# KiCad board chastity.kicad_pcb (continued)
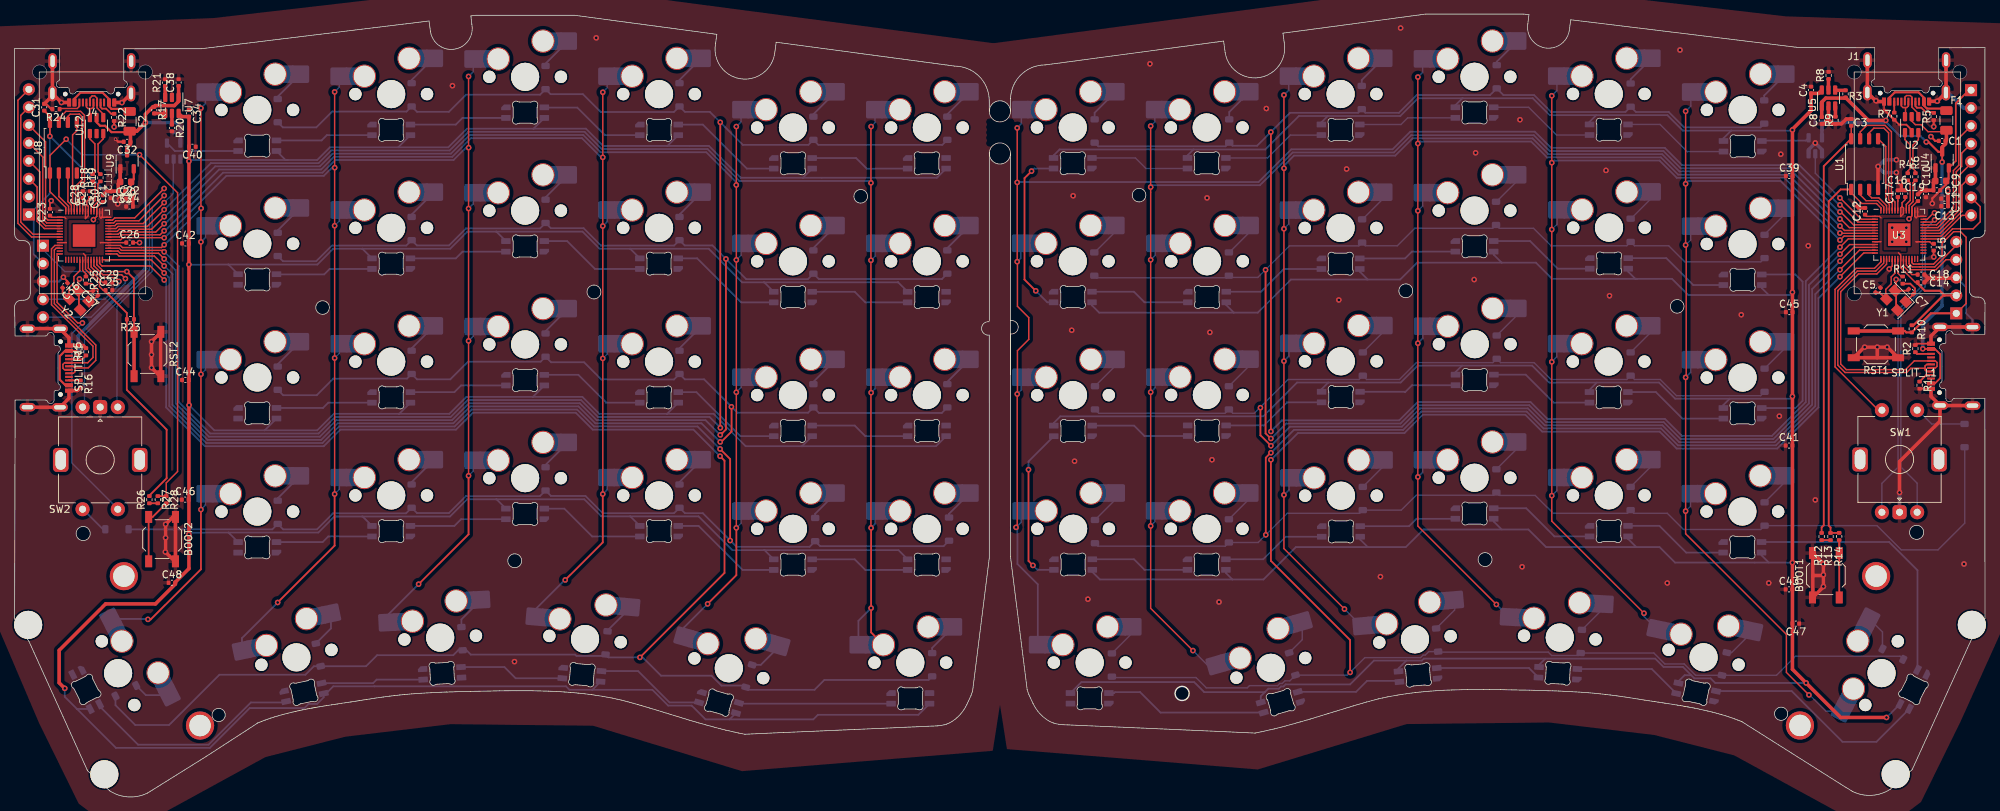
[diagram p0: board, top side]
## Nets
+1V1: C17.1 C18.1 C19.1 C28.1 C29.1 C30.1 U3.23 U3.45 U3.50 U10.23 U10.45 U10.50
+3V3: C2.1 C3.1 C9.1 C10.1 C11.1 C12.1 C13.1 C14.1 C15.1 C16.1 C20.1 C21.1 C22.1 C23.1 C24.1 C25.1 C26.1 C27.1 C31.1 C33.1 J2.2 J3.1 J5.2 J6.1 R10.2 R12.2 R23.2 R26.2 U1.8 U3.1 U3.10 U3.22 U3.33 U3.42 U3.43 U3.44 U3.48 U3.49 U4.2 U8.8 U9.2 U10.1 U10.10 U10.22 U10.33 U10.42 U10.43 U10.44 U10.48 U10.49
GND: BOOT1.1 BOOT2.1 C1.2 C2.2 C3.2 C4.1 C5.1 C6.1 C7.2 C8.2 C9.2 C10.2 C11.2 C12.2 C13.2 C14.2 C15.2 C16.2 C17.2 C18.2 C19.2 C20.2 C21.2 C22.2 C23.2 C24.2 C25.2 C26.2 C27.2 C28.2 C29.2 C30.2 C31.2 C32.2 C33.2 C34.1 C35.1 C36.1 C37.2 C38.2 C39.1 C40.1 C41.1 C42.1 C43.1 C44.1 C45.1 C46.1 C47.1 C48.1 J1.A1 J1.A12 J1.B1 J1.B12 J1.S1 J2.3 J3.2 J4.A1 J4.A12 J4.B1 J4.B12 J4.S1 J5.3 J6.2 LED1.4 LED2.4 LED3.4 LED4.4 LED5.4 LED6.4 LED7.4 LED8.4 LED9.4 LED10.4 LED11.4 LED12.4 LED13.4 LED14.4 LED15.4 LED16.4 LED17.4 LED18.4 LED19.4 LED20.4 LED21.4 LED22.4 LED23.4 LED24.4 LED25.4 LED26.4 LED27.4 LED28.4 LED29.4 LED30.4 LED31.4 LED32.4 LED33.4 LED34.4 LED35.4 LED36.4 LED37.4 LED38.4 LED39.4 LED40.4 LED41.4 LED42.4 LED43.4 LED44.4 LED45.4 LED46.4 LED47.4 LED48.4 LED49.4 LED50.4 LED51.4 LED52.4 LED53.4 LED54.4 LED55.4 LED56.4 LED57.4 LED58.4 LED59.4 LED60.4 R1.2 R2.2 R5.2 R7.2 R8.2 R9.2 R15.2 R16.2 R20.2 R21.2 R22.2 R24.2 RST1.2 RST2.1 SPLIT_L1.A1 SPLIT_L1.A12 SPLIT_L1.B1 SPLIT_L1.B12 SPLIT_L1.S1 SPLIT_R1.A1 SPLIT_R1.A12 SPLIT_R1.B1 SPLIT_R1.B12 SPLIT_R1.S1 SW1.C SW2.C U1.4 U2.2 U3.19 U3.57 U4.1 U5.2 U6.1 U6.3 U7.2 U8.4 U9.1 U10.19 U10.57 U11.1 U11.3 U12.2 Y1.2 Y1.4 Y2.2 Y2.4
VBUS: F1.1 F2.1 J1.A4 J1.A9 J1.B4 J1.B9 J4.A4 J4.A9 J4.B4 J4.B9
bl: J6.8 U10.8
bl_L: J3.8 U3.35
clk: J6.4 U10.4
clk_L: J3.4 U3.38
col 0: SW2.S2 U10.14
col 0_L: SW1.S2 U3.15
col 1: MX31.1 MX37.1 MX43.1 MX49.1 MX55.1 U10.32
col 1_L: MX6.1 MX12.1 MX18.1 MX24.1 MX30.1 U3.8
col 2: MX32.1 MX38.1 MX44.1 MX50.1 MX56.1 U10.34
col 2_L: MX5.1 MX11.1 MX17.1 MX23.1 MX29.1 U3.7
col 3: MX33.1 MX39.1 MX45.1 MX51.1 MX57.1 U10.35
col 3_L: MX4.1 MX10.1 MX16.1 MX22.1 MX28.1 U3.6
col 4: MX34.1 MX40.1 MX46.1 MX52.1 MX58.1 U10.36
col 4_L: MX3.1 MX9.1 MX15.1 MX21.1 MX27.1 U3.5
col 5: MX35.1 MX41.1 MX47.1 MX53.1 MX59.1 U10.37
col 5_L: MX2.1 MX8.1 MX14.1 MX20.1 MX26.1 U3.4
col 6: MX36.1 MX42.1 MX48.1 MX54.1 MX60.1 U10.38
col 6_L: MX1.1 MX7.1 MX13.1 MX19.1 MX25.1 U3.3
cs: J6.5 U10.3
cs_L: J3.5 U3.37
CURR_LIM: R20.1 U7.5
CURR_LIM_L: R8.1 U5.5
D+: R18.2 U12.1
D-: R19.2 U12.3
D_Split_L+: SPLIT_L1.A6 SPLIT_L1.B6 U3.17
D_Split_L-: SPLIT_L1.A7 SPLIT_L1.B7 U3.16
D_Split_R+: SPLIT_R1.A6 SPLIT_R1.B6 U10.12
D_Split_R-: SPLIT_R1.A7 SPLIT_R1.B7 U10.11
D_USB+: J4.A6 J4.B6 U12.6
D_USB-: J4.A7 J4.B7 U12.4
dc: J6.6 U10.2
dc_L: J3.6 U3.36
DIN: J6.3 U10.5
DIN_L: J3.3 U3.39
DL+: R4.2 U2.1
DL-: R6.2 U2.3
DL_USB+: J1.A6 J1.B6 U2.6
DL_USB-: J1.A7 J1.B7 U2.4
LED_Data_3V3: U10.39 U11.2
LED_Data_3V3_L: U3.2 U6.2
LED_Data_5V: LED31.3 U11.4
LED_Data_5V_L: LED6.3 U6.4
LED_Pow_5V: C34.2 C40.2 C42.2 C44.2 C46.2 C48.2 LED31.1 LED32.1 LED33.1 LED34.1 LED35.1 LED36.1 LED37.1 LED38.1 LED39.1 LED40.1 LED41.1 LED42.1 LED43.1 LED44.1 LED45.1 LED46.1 LED47.1 LED48.1 LED49.1 LED50.1 LED51.1 LED52.1 LED53.1 LED54.1 LED55.1 LED56.1 LED57.1 LED58.1 LED59.1 LED60.1 U7.6
LED_Pow_5V_L: C4.2 C39.2 C41.2 C43.2 C45.2 C47.2 LED1.1 LED2.1 LED3.1 LED4.1 LED5.1 LED6.1 LED7.1 LED8.1 LED9.1 LED10.1 LED11.1 LED12.1 LED13.1 LED14.1 LED15.1 LED16.1 LED17.1 LED18.1 LED19.1 LED20.1 LED21.1 LED22.1 LED23.1 LED24.1 LED25.1 LED26.1 LED27.1 LED28.1 LED29.1 LED30.1 U5.6
Q_CLK: U8.6 U10.52
Q_CLK_L: U1.6 U3.52
Q_IO0: U8.5 U10.53
Q_IO0_L: U1.5 U3.53
Q_IO1: U8.2 U10.55
Q_IO1_L: U1.2 U3.55
Q_IO2: U8.3 U10.54
Q_IO2_L: U1.3 U3.54
Q_IO3: U8.7 U10.51
Q_IO3_L: U1.7 U3.51
Q_SEL: R27.1 R28.1 U8.1 U10.56
Q_SEL_L: R13.1 R14.1 U1.1 U3.56
RESET: J5.1 R23.1 RST2.2 U10.26
RESET_L: J2.1 R10.1 RST1.1 U3.26
rot A: SW2.A U10.40
rot A_L: SW1.A U3.41
rot B: SW2.B U10.41
rot B_L: SW1.B U3.40
row 0: D31.1 D32.1 D33.1 D34.1 D35.1 D36.1 U10.31
row 0_L: D1.1 D2.1 D3.1 D4.1 D5.1 D6.1 U3.9
row 1: D37.1 D38.1 D39.1 D40.1 D41.1 D42.1 U10.30
row 1_L: D7.1 D8.1 D9.1 D10.1 D11.1 D12.1 U3.11
row 2: D43.1 D44.1 D45.1 D46.1 D47.1 D48.1 U10.29
row 2_L: D13.1 D14.1 D15.1 D16.1 D17.1 D18.1 U3.12
row 3: D49.1 D50.1 D51.1 D52.1 D53.1 D54.1 D62.1 U10.28
row 3_L: D19.1 D20.1 D21.1 D22.1 D23.1 D24.1 D61.1 U3.13
row 4: D55.1 D56.1 D57.1 D58.1 D59.1 D60.1 U10.27
row 4_L: D25.1 D26.1 D27.1 D28.1 D29.1 D30.1 U3.14
rst: J6.7 U10.7
rst_L: J3.7 U3.34
SK6803_EN: R21.1 U7.3
SK6803_EN_L: R9.1 U5.3
SK6803_NFAULT: R17.2 U7.4
SK6803_NFAULT_L: R3.1 U5.4
Split_5v5_L: C1.1 C6.2 C8.1 C32.1 C35.2 C38.1 F1.2 F2.2 R3.2 R17.1 SPLIT_L1.A4 SPLIT_L1.A9 SPLIT_L1.B4 SPLIT_L1.B9 SPLIT_R1.A4 SPLIT_R1.A9 SPLIT_R1.B4 SPLIT_R1.B9 U2.5 U4.3 U5.1 U6.5 U7.1 U9.3 U11.5 U12.5
SWC: J5.4 U10.24
SWC_L: J2.4 U3.24
SWD: J5.5 U10.25
SWD_L: J2.5 U3.25
XIN: C36.2 U10.20 Y2.3
XIN_L: C5.2 U3.20 Y1.3
XOUT: R25.1 U10.21
XOUT_L: R11.1 U3.21
Net-(BOOT1-Pad2): BOOT1.2 R14.2
Net-(BOOT2-Pad2): BOOT2.2 R28.2
Net-(C7-Pad1): C7.1 R11.2 Y1.1
Net-(C37-Pad1): C37.1 R25.2 Y2.1
Net-(D1-A): D1.2 MX1.2
Net-(D2-A): D2.2 MX2.2
Net-(D3-A): D3.2 MX3.2
Net-(D4-A): D4.2 MX4.2
Net-(D5-A): D5.2 MX5.2
Net-(D6-A): D6.2 MX6.2
Net-(D7-A): D7.2 MX7.2
Net-(D8-A): D8.2 MX8.2
Net-(D9-A): D9.2 MX9.2
Net-(D10-A): D10.2 MX10.2
Net-(D11-A): D11.2 MX11.2
Net-(D12-A): D12.2 MX12.2
Net-(D13-A): D13.2 MX13.2
Net-(D14-A): D14.2 MX14.2
Net-(D15-A): D15.2 MX15.2
Net-(D16-A): D16.2 MX16.2
Net-(D17-A): D17.2 MX17.2
Net-(D18-A): D18.2 MX18.2
Net-(D19-A): D19.2 MX19.2
Net-(D20-A): D20.2 MX20.2
Net-(D21-A): D21.2 MX21.2
Net-(D22-A): D22.2 MX22.2
Net-(D23-A): D23.2 MX23.2
Net-(D24-A): D24.2 MX24.2
Net-(D25-A): D25.2 MX25.2
Net-(D26-A): D26.2 MX26.2
Net-(D27-A): D27.2 MX27.2
Net-(D28-A): D28.2 MX28.2
Net-(D29-A): D29.2 MX29.2
Net-(D30-A): D30.2 MX30.2
Net-(D31-A): D31.2 MX31.2
Net-(D32-A): D32.2 MX32.2
Net-(D33-A): D33.2 MX33.2
Net-(D34-A): D34.2 MX34.2
Net-(D35-A): D35.2 MX35.2
Net-(D36-A): D36.2 MX36.2
Net-(D37-A): D37.2 MX37.2
Net-(D38-A): D38.2 MX38.2
Net-(D39-A): D39.2 MX39.2
Net-(D40-A): D40.2 MX40.2
Net-(D41-A): D41.2 MX41.2
Net-(D42-A): D42.2 MX42.2
Net-(D43-A): D43.2 MX43.2
Net-(D44-A): D44.2 MX44.2
Net-(D45-A): D45.2 MX45.2
Net-(D46-A): D46.2 MX46.2
Net-(D47-A): D47.2 MX47.2
Net-(D48-A): D48.2 MX48.2
Net-(D49-A): D49.2 MX49.2
Net-(D50-A): D50.2 MX50.2
Net-(D51-A): D51.2 MX51.2
Net-(D52-A): D52.2 MX52.2
Net-(D53-A): D53.2 MX53.2
Net-(D54-A): D54.2 MX54.2
Net-(D55-A): D55.2 MX55.2
Net-(D56-A): D56.2 MX56.2
Net-(D57-A): D57.2 MX57.2
Net-(D58-A): D58.2 MX58.2
Net-(D59-A): D59.2 MX59.2
Net-(D60-A): D60.2 MX60.2
Net-(D61-A): D61.2 SW1.S1
Net-(D62-A): D62.2 SW2.S1
Net-(J1-CC1): J1.A5 R5.1
Net-(J1-CC2): J1.B5 R7.1
Net-(J4-CC1): J4.A5 R22.1
Net-(J4-CC2): J4.B5 R24.1
Net-(LED1-DIN): LED1.3 LED2.2
Net-(LED1-DOUT): LED1.2 LED7.3
Net-(LED2-DIN): LED2.3 LED3.2
Net-(LED3-DIN): LED3.3 LED4.2
Net-(LED4-DIN): LED4.3 LED5.2
Net-(LED5-DIN): LED5.3 LED6.2
Net-(LED7-DOUT): LED7.2 LED8.3
Net-(LED8-DOUT): LED8.2 LED9.3
Net-(LED10-DIN): LED9.2 LED10.3
Net-(LED10-DOUT): LED10.2 LED11.3
Net-(LED11-DOUT): LED11.2 LED12.3
Net-(LED12-DOUT): LED12.2 LED18.3
Net-(LED13-DIN): LED13.3 LED14.2
Net-(LED13-DOUT): LED13.2 LED19.3
Net-(LED14-DIN): LED14.3 LED15.2
Net-(LED15-DIN): LED15.3 LED16.2
Net-(LED16-DIN): LED16.3 LED17.2
Net-(LED17-DIN): LED17.3 LED18.2
Net-(LED19-DOUT): LED19.2 LED20.3
Net-(LED20-DOUT): LED20.2 LED21.3
Net-(LED21-DOUT): LED21.2 LED22.3
Net-(LED22-DOUT): LED22.2 LED23.3
Net-(LED23-DOUT): LED23.2 LED24.3
Net-(LED24-DOUT): LED24.2 LED30.3
Net-(LED25-DIN): LED25.3 LED26.2
Net-(LED26-DIN): LED26.3 LED27.2
Net-(LED27-DIN): LED27.3 LED28.2
Net-(LED28-DIN): LED28.3 LED29.2
Net-(LED29-DIN): LED29.3 LED30.2
Net-(LED31-DOUT): LED31.2 LED32.3
Net-(LED32-DOUT): LED32.2 LED33.3
Net-(LED33-DOUT): LED33.2 LED34.3
Net-(LED34-DOUT): LED34.2 LED35.3
Net-(LED35-DOUT): LED35.2 LED36.3
Net-(LED36-DOUT): LED36.2 LED42.3
Net-(LED37-DIN): LED37.3 LED38.2
Net-(LED37-DOUT): LED37.2 LED43.3
Net-(LED38-DIN): LED38.3 LED39.2
Net-(LED39-DIN): LED39.3 LED40.2
Net-(LED40-DIN): LED40.3 LED41.2
Net-(LED41-DIN): LED41.3 LED42.2
Net-(LED43-DOUT): LED43.2 LED44.3
Net-(LED44-DOUT): LED44.2 LED45.3
Net-(LED45-DOUT): LED45.2 LED46.3
Net-(LED46-DOUT): LED46.2 LED47.3
Net-(LED47-DOUT): LED47.2 LED48.3
Net-(LED48-DOUT): LED48.2 LED54.3
Net-(LED49-DIN): LED49.3 LED50.2
Net-(LED49-DOUT): LED49.2 LED55.3
Net-(LED50-DIN): LED50.3 LED51.2
Net-(LED51-DIN): LED51.3 LED52.2
Net-(LED52-DIN): LED52.3 LED53.2
Net-(LED53-DIN): LED53.3 LED54.2
Net-(LED55-DOUT): LED55.2 LED56.3
Net-(LED56-DOUT): LED56.2 LED57.3
Net-(LED57-DOUT): LED57.2 LED58.3
Net-(LED58-DOUT): LED58.2 LED59.3
Net-(LED59-DOUT): LED59.2 LED60.3
Net-(R12-Pad1): R12.1 R13.2
Net-(R26-Pad1): R26.1 R27.2
Net-(SPLIT_L1-CC1): R1.1 SPLIT_L1.A5
Net-(SPLIT_L1-CC2): R2.1 SPLIT_L1.B5
Net-(SPLIT_R1-CC1): R15.1 SPLIT_R1.A5
Net-(SPLIT_R1-CC2): R16.1 SPLIT_R1.B5
Net-(U3-USB_DM): R6.1 U3.46
Net-(U3-USB_DP): R4.1 U3.47
Net-(U10-USB_DM): R19.1 U10.46
Net-(U10-USB_DP): R18.1 U10.47

Pads without a net: J1 A8 B8; J4 A8 B8; LED25 2; LED60 2; SPLIT_L1 A8 B8; SPLIT_R1 A8 B8; SW1 MP; SW2 MP; U3 18 27 28 29 30 31 32; U10 6 9 13 15 16 17 18

## Via types
v1: diameter 0.8, hole 0.4, Top to Bottom, 224 vias
v2: diameter 0.5, hole 0.3, Top to Bottom, 1 via

## Routing (per net, layer and track width the routed paths; a pad name or vN(x,y) marks a point on that pad's centre or on a via; arc(x,y) is an arc through that point)
+1V1: length 18.6
  Top w0.2: v1(268.79,82.12) 269.19,82.52 U3.45 ; U10.23 10.46,75.11 12.5,73.07 C29.1 ; U3.45 269.19,83.84 269.99,84.64 C19.1 ; U3.45 269.19,82.66 ; U10.50 9.66,85.07 C28.1 ; C17.1 267.2,84.67 267.19,84.66 U3.50 ; C30.1 12.45,84.5 11.66,83.71 U10.45 11.66,82.48 v1(11.18,82) ; U3.23 267.99,75.4 269.19,74.2 C18.1
+3V3: length 209.1
  Top w0.2: C15.1 272,78.57 271.71,78.87 U3.33 269.79,78.87 269.79,78.86 269.99,78.86 ; 12.18,78.74 U10.33 15.36,78.74 15.36,78.74 C26.1 ; 269.99,82.46 269.99,82.47 U3.42 ; 269.99,82.46 269.79,82.26 269.59,82.46 U3.44 ; 269.99,82.46 U3.43 ; 267.28,77.29 267.59,76.99 U3.22 267.59,75.19 269.68,73.09 C14.1 ; 267.79,83.86 267.99,83.66 U3.48 267.99,82.86 267.59,82.46 U3.49 267.59,83.66 267.79,83.86 ; 267.79,83.86 267.79,84.4 268.25,84.86 C16.1 ; 9.78,77.17 10.06,76.9 U10.22 10.06,74.94 12.04,72.96 12.04,72.51 12.57,71.97 C25.1 ; 10.25,84.1 10.46,83.89 U10.48 10.46,82.56 10.06,82.16 U10.49 10.06,83.9 10.25,84.1 ; 10.25,84.1 10.25,84.61 C27.1 ; 12.26,82.24 12.46,82.43 U10.43 ; 12.26,82.24 12.06,82.44 U10.44 ; 12.26,82.24 12.37,82.34 U10.42 ; 7.27,82.16 7.09,82.34 U10.1 5.25,82.34 C23.1 ; U1.8 260.59,93.5 C3.1 ; 7.31,78.74 7.3,78.74 U10.10 ; U3.10 264.79,78.87 ; C12.1 262.78,82.47 U3.1 264.59,82.47 264.79,82.26
  Top w0.25: C31.1 5.02,96.67 U8.8 5.02,93.86 v1(5,93.84) ; C20.1 16.53,86.9 C33.1 15.67,86.03 14.63,84.99 v1(14.63,84.23) ; U1.8 256.68,89.6 256.68,38.59 256.38,38.29 R12.2 ; U4.2 275.42,90.34 275.42,98.53 276.88,99.99 ; C25.1 12.9,71.76 13.27,71.39 13.28,71.39 15.93,68.74 R23.2 15.92,67.85 15.92,57.83 21.57,52.18 21.57,45.28 19.12,42.83 R26.2
  Top w0.3: 273.82,71.23 273.62,71.23 269.39,67 R10.2 ; 273.82,71.23 J2.2 ; 273.82,71.23 273.16,71.89 271.03,71.89 270.07,72.86 270.07,73.03 C14.1 ; U9.2 16.91,87.74 C20.1 ; v1(272.08,84.29) 272.08,85.01 273.2,86.13 C2.1 274.06,87.03 C9.1 274.38,87.82 274.38,89.31 U4.2
  Bottom w0.25: J5.2 2.72,77.07 2.72,82.03 J6.1 5,85.71 v1(5,93.84) 5.02,93.84 v1(14.63,84.23)
GND: length 249.6
  Top w0.2: v1(272.3,76.7) 272.28,76.72 C15.2 ; v1(265.98,74.99) 266.39,75.4 U3.19 ; R7.2 265.24,97.63 J1.A12 265.13,98.89 v1(264.08,98.89) ; v1(17.72,78.74) C26.2 ; 272.53,87.52 C9.2
  Top w0.25: Y2.4 9.12,69.36 9.12,71.78 9.15,71.8 ; R7.2 267.37,95.49 268.4,95.49 269.16,94.74 U2.2 ; SPLIT_L1.A12 271.9,64.39 269.87,64.39 R2.2 ; R1.2 270.29,57.99 SPLIT_L1.A1 ; Y1.4 266.95,69.31 266.95,71.71 Y1.2 ; C36.1 7.5,73.25 v1(6.92,73.83) ; C23.2 5.02,84.51 v1(5.19,84.69) ; C37.2 11.06,71.82 9.03,71.82 9.03,73.41 v1(9.2,73.58) ; C7.2 268.52,71.91 266.79,71.91 266.95,72.07 v1(266.95,73.51)
  Top w0.3: J1.S1 274.02,104.64 J1.S1 ; 264.28,98.69 v1(264.08,98.89) ; v1(272.78,98.82) 272.74,98.78 J1.A1 ; C31.2 4.47,98.44 5.21,97.7 R24.2 ; v1(14.12,95.18) R22.2 ; v2(14.32,93.43) 14.69,93.06 C32.2 ; v1(271.88,93.79) 272.49,93.19 C1.2 ; 265.29,97.57 R7.2 ; v1(272.28,95.21) 272.28,96.15
  Top w0.5: C30.2 13.07,86.01 C21.2 13.69,86.04 C33.2 14.71,87.09 C20.2 14.98,89.2 U9.1 ; 255.13,31.47 256.53,31.47 v1(256.63,31.57) ; 258.37,95.58 R9.2 259.2,95.61 259.89,96.3 C3.2 ; R16.2 8.92,57.72 SPLIT_R1.A12 7.71,56.63 SPLIT_R1.S1 1.85,55.35 SPLIT_R1.S1 ; 264.28,62.39 RST1.2 262.43,63.89 v1(262.48,63.89) v1(264.28,63.89) ; 264.28,62.39 RST1.2 265.73,63.89 v1(265.68,63.89) v1(264.28,63.89) ; 264.28,62.39 v1(264.28,63.89) ; J2.3 275.4,73.69 v1(272.28,73.69) 271.47,73.69 ; v1(16.8,85.9) 16.78,85.87 C22.2 16.78,84.96 C24.2 ; J4.S1 v1(15.23,98.63) 15.24,98.64 J4.A1 ; J4.S1 5.37,104.5 J4.S1 ; J4.S1 5.37,99.6 C31.2 ; J4.S1 v1(6.65,98.64) J4.A12 ; 271.47,73.69 C18.2 ; 271.47,73.69 271.47,73.6 C14.2 ; 257.33,96.24 256.7,95.61 C8.2 ; 257.33,96.24 257.99,95.58 ; 257.33,96.24 257.35,96.26 U5.2 ; C9.2 272.24,87.22 C2.2 271.21,86.17 C10.2 270.6,86.15 C19.2 ; 271.9,64.47 SPLIT_L1.A12 271.9,65.48 SPLIT_L1.S1 277.76,66.76 ; 272.53,87.52 U4.1 ; J1.S1 262.87,104.64 J1.S1 264.03,98.89 v1(264.08,98.89) 264.2,98.78 J1.A12 ; 256.63,29.84 255.13,28.34 255.13,34.64 256.63,33.14 ; J1.S1 274.04,100.08 J1.S1 v1(272.78,98.82) 271.69,98.82 J1.A1 ; R15.2 9.73,64.12 SPLIT_R1.A1 7.71,65.22 SPLIT_R1.S1 6.41,66.52 SPLIT_R1.S1 ; C12.2 261.61,83.67 v1(261.06,84.22) ; SPLIT_L1.S1 271.9,56.89 SPLIT_L1.A1 ; SPLIT_L1.S1 273.2,55.59 SPLIT_L1.S1 ; SPLIT_L1.S1 273.18,53.39 267.43,47.64 v1(267.43,43.24) ; v1(274.31,86.11) C13.2 ; C17.2 267.68,86.17 ; 267.68,86.17 C16.2 ; 267.68,86.17 267.68,87.09 v1(267.48,87.29) ; v1(256.63,31.57) v1(256.63,33.09) ; v1(256.63,31.57) v1(256.63,29.89) ; v1(264.39,89.55) U1.4 ; v1(21.42,36.83) 21.42,34.83 v1(21.39,34.8) 22.72,33.48 BOOT2.1 BOOT2.1 22.46,39.78 v1(21.42,38.74) v1(21.42,36.83) ; v1(19.42,64.68) 20.72,65.98 20.72,59.68 v1(19.42,60.98) v1(19.42,62.83) v1(19.42,64.68)
  Bottom w0.25: J2.3 276.88,72.37 276.88,68.69 277.78,67.79 SPLIT_L1.S1
  Bottom w0.3: J1.S1 264.03,98.89 v1(264.08,98.89) ; J5.3 6.32,73.23 v1(6.92,73.83)
  Bottom w0.5: SW1.C v1(267.43,43.24) ; v1(266.98,88.69) 265.18,88.69 264.39,89.49 v1(264.39,89.55) 265.34,90.5 v1(266.98,90.5) ; 275.37,73.66 J2.3 ; U6.3 254.53,91.94 v1(255.48,92.89) 256.43,91.94 U6.1 ; SPLIT_L1.S1 273.2,66.74 SPLIT_L1.S1 ; J1.S1 274.32,100.06 276.52,97.85 J3.2
  vias: v1(62.12,101.03) v1(70.92,19.23) v1(82.52,107.83) v1(149.98,66.29) v1(150.18,85.39) v1(150.38,47.69) v1(152.28,28.09) v1(161.08,104.13) v1(169.18,85.09) v1(169.58,65.99) v1(169.88,47.89) v1(170.88,27.69) v1(177.59,97.78) v1(187.88,70.59) v1(188.98,89.19) v1(193.78,31.29) v1(196.64,109.21) v1(207.08,73.49) v1(207.28,91.49) v1(213.58,96.19) v1(213.88,32.69) v1(225.78,88.99) v1(226.28,71.19) v1(234.48,30.39) v1(236.28,106.09) v1(244.98,68.49) v1(248.88,30.39) v1(250.38,54.09) v1(250.58,91.29) v1(254.48,78.29) v1(255.48,42.19) v1(266.39,80.86) v1(266.39,78.86) v1(267.39,79.86) v1(268.39,80.86) v1(268.39,78.86) v1(276.58,33.09)
VBUS: length 21.1
  Top w0.3: J4.A9 8.49,99.19 9.33,100.03 12.5,100.03 13.39,99.13 J4.A4 13.39,98.07 13.73,97.74 15.95,97.74 F2.1 ; F1.1 273.79,97.79 271.32,97.79 270.89,98.21 J1.A4 270.89,99.33 270.13,100.09 266.76,100.09 265.99,99.33 J1.A9
bl: length 26.4
  Top w0.2: U10.8 2.41,79.54 0.47,81.48 0.47,98.96 J6.8
bl_L: length 8
  Top w0.2: J3.8 276.3,82.61 273.35,79.67 U3.35
clk: length 12.2
  Top w0.2: J6.4 3.59,88.78 3.59,81.94 4.39,81.14 U10.4
clk_L: length 15.9
  Top w0.2: U3.38 272.85,80.87 275.48,83.49 275.48,88.81 276.24,89.57 276.24,91.44 J3.4
col 0: length 41.8
  Top w0.2: v1(9.62,67.33) 8.95,67.33 6.04,70.24 6.04,77.14 U10.14
  Bottom w0.2: SW2.S2 14.64,40.92 8.12,47.45 8.12,65.83 v1(9.62,67.33)
col 0_L: length 28.7
  Top w0.2: SW1.S2 264.43,54.94 258.28,61.09 258.28,72.09 261.28,75.09 263.88,75.09 264.79,76 U3.15
col 1: length 106.9
  Top w0.2: v1(26.44,40.83) v1(26.44,60.04) v1(26.44,78.84) 26.44,83.59 v1(26.47,83.62) 26.44,83.65 v1(26.44,97.84) ; U10.32 15.01,78.34 15.31,78.04 18.01,78.04 18.01,78.04 20.84,78.04 v1(21.22,78.43)
  Top w0.25: v1(26.44,40.83) 26.44,32.34 19.32,25.23 v1(18.92,25.23)
  Bottom w0.2: v1(26.44,78.84) 27.07,79.48 MX37.1 ; v1(26.44,60.04) 27.07,60.68 MX43.1 ; MX49.1 27.07,41.46 v1(26.44,40.83) ; v1(26.44,97.84) 27.07,98.48 MX31.1
  Bottom w0.25: v1(21.22,78.43) 21.27,78.43 v1(26.47,83.62) ; v1(18.92,25.23) 18.85,25.29 MX55.1
col 1_L: length 138.8
  Top w0.2: U3.8 259.55,79.67 v1(258.98,79.09) ; 236.99,59.5 v1(237.08,59.59) v1(237.08,40.59) 237.08,37.39 251.38,23.09 251.38,17.69 v1(254.58,14.49) ; 236.99,78.3 237.08,78.21 ; 237.17,78.3 237.17,59.68 ; v1(237.08,97.39) v1(237.08,78.39)
  Bottom w0.2: 236.99,78.3 237.8,79.11 MX12.1 ; MX18.1 237.8,60.31 236.99,59.5 ; v1(254.58,14.49) 254.68,14.49 256.99,12.19 MX30.1 ; MX24.1 237.77,41.28 236.99,40.5 ; 236.99,97.3 237.82,98.13 MX6.1
  Bottom w0.25: v1(237.08,87.09) 237.48,87.49 250.56,87.49 258.96,79.09 v1(258.98,79.09)
col 2: length 131.1
  Top w0.2: U10.34 15.05,79.14 15.35,79.44 21.21,79.44 v1(21.22,79.43) ; v1(45.41,100.14) 45.41,89.4 v1(45.42,89.39) 45.41,89.38 v1(45.41,81.14) v1(45.41,62.34) v1(45.41,43.03)
  Top w0.25: v1(45.41,43.03) 45.41,35.71 v1(37.32,27.63)
  Bottom w0.2: v1(45.41,100.14) 46.07,100.81 MX32.1 ; MX44.1 46.07,63.01 v1(45.41,62.34) ; MX38.1 46.07,81.81 v1(45.41,81.14) ; MX50.1 46.07,43.69 v1(45.41,43.03)
  Bottom w0.25: v1(21.22,79.43) 21.25,79.43 30.05,88.23 43.87,88.23 45.03,89.39 v1(45.42,89.39) ; MX56.1 32.26,22.56 v1(37.32,27.63)
col 2_L: length 144.1
  Top w0.2: v1(218.09,99.6) v1(218.09,80.6) v1(218.09,61.8) v1(218.09,42.8) 218.09,39.18 v1(231.18,26.09) ; U3.7 259.01,80.07 v1(258.98,80.09)
  Bottom w0.2: v1(218.09,61.8) 218.8,62.51 MX17.1 ; v1(218.09,80.6) 218.85,81.36 MX11.1 ; v1(231.18,26.09) 231.18,25.64 MX29.1 ; MX23.1 218.82,43.53 v1(218.09,42.8) ; v1(218.09,99.6) 218.82,100.33 MX5.1
  Bottom w0.25: v1(258.98,80.09) 258.94,80.09 251.09,87.94 235.83,87.94 233.38,90.4 218.4,90.4 v1(218.09,90.09)
col 3: length 148.8
  Top w0.2: U10.35 14.88,79.54 15.19,79.84 20.64,79.84 v1(21.22,80.43) ; v1(64.41,102.34) 64.41,92.24 v1(64.42,92.23) 64.41,92.21 v1(64.41,83.58) v1(64.41,64.78) v1(64.41,45.63)
  Top w0.25: v1(57.32,30.23) 64.41,37.31 v1(64.41,45.63)
  Bottom w0.2: MX45.1 65.07,65.45 v1(64.41,64.78) ; v1(64.41,45.63) 65.07,46.29 MX51.1 ; MX39.1 65.07,84.25 v1(64.41,83.58) ; v1(64.41,102.34) 65.07,103.01 MX33.1
  Bottom w0.25: v1(21.22,80.43) 21.32,80.43 29.57,88.68 43.68,88.68 45.48,90.48 62.28,90.48 64.03,92.23 v1(64.42,92.23) ; v1(57.32,30.23) 52.9,25.8 MX57.1
col 3_L: length 163.4
  Top w0.2: v1(210.24,27.35) 210.23,27.35 199.09,38.48 v1(199.09,45.45) v1(199.09,64.45) v1(199.09,83.25) v1(199.09,102.25) ; v1(258.98,81.1) 259.61,80.47 U3.6
  Bottom w0.2: v1(199.09,45.45) 199.77,46.13 MX22.1 ; MX4.1 199.77,102.93 v1(199.09,102.25) ; v1(199.09,64.45) 199.8,65.16 MX16.1 ; MX10.1 199.77,83.93 v1(199.09,83.25) ; v1(210.24,27.35) MX28.1
  Bottom w0.25: v1(258.98,81.1) 258.96,81.1 251.66,88.39 236.02,88.39 233.57,90.85 217.42,90.85 215.17,93.09 199.37,93.09 v1(199.09,92.82)
col 4: length 165.5
  Top w0.2: v1(83.45,43.03) v1(83.45,62.29) v1(83.45,81.09) v1(83.45,90.85) v1(83.45,100.09) ; U10.36 14.72,79.94 15.02,80.24 20.04,80.24 v1(21.22,81.43)
  Top w0.25: v1(83.45,43.03) 83.45,36.15 v1(78.12,30.83)
  Bottom w0.2: MX40.1 84.07,81.72 v1(83.45,81.09) ; v1(83.45,43.03) 84.07,43.65 MX52.1 ; MX34.1 84.07,100.72 v1(83.45,100.09) ; MX46.1 84.07,62.92 v1(83.45,62.29)
  Bottom w0.25: v1(21.22,81.43) 21.32,81.43 29.02,89.13 43.5,89.13 45.3,90.93 62.1,90.93 64.75,93.58 80.5,93.58 83.22,90.85 v1(83.45,90.85) ; MX58.1 73.82,26.58 78.07,30.83 v1(78.12,30.83)
col 4_L: length 182.6
  Top w0.2: v1(188.68,26.69) 180.09,35.28 v1(180.09,42.9) 180.08,42.91 180.08,61.89 v1(180.09,61.9) v1(180.09,80.7) v1(180.09,99.7) ; U3.5 260.31,80.87 259.08,82.1 v1(258.98,82.1)
  Bottom w0.2: v1(188.68,26.69) 191.09,24.28 MX27.1 ; v1(180.09,42.9) 180.82,43.63 MX21.1 ; v1(180.09,61.9) 180.8,62.61 MX15.1 ; MX9.1 180.77,81.38 v1(180.09,80.7) ; v1(180.09,99.7) 180.77,100.38 MX3.1
  Bottom w0.25: v1(180.1,89.29) 180.1,89.67 181.52,91.09 195.88,91.09 198.33,93.54 215.36,93.54 217.61,91.3 233.75,91.3 236.21,88.84 252.21,88.84 258.96,82.1 v1(258.98,82.1)
col 5: length 183.9
  Top w0.2: v1(102.4,95.23) 102.4,86.94 v1(102.39,86.93) 102.4,86.92 v1(102.4,76.29) v1(102.4,57.49) v1(102.4,38.23) ; U10.37 14.55,80.34 14.85,80.64 19.44,80.64 v1(21.22,82.42)
  Top w0.25: v1(102.4,38.23) 102.4,31.5 v1(98.32,27.43)
  Bottom w0.2: v1(102.4,57.49) 103.07,58.16 MX47.1 ; v1(102.4,76.29) 103.07,76.96 MX41.1 ; v1(102.4,38.23) 103.07,38.9 MX53.1 ; MX35.1 103.07,95.9 v1(102.4,95.23)
  Bottom w0.25: v1(98.32,27.43) 94.96,24.06 MX59.1 ; v1(21.22,82.42) 21.32,82.42 28.47,89.58 43.31,89.58 45.11,91.38 61.91,91.38 64.56,94.03 80.69,94.03 83.14,91.58 98.14,91.58 102.39,87.32 v1(102.39,86.93)
col 5_L: length 202.2
  Top w0.2: v1(258.98,83.09) 259.08,83.09 260.91,81.27 U3.4 ; v1(167.18,20.79) 161.18,26.79 v1(161.18,38.49) v1(161.18,57.49) v1(161.18,76.29) v1(161.18,95.29)
  Bottom w0.2: v1(161.18,76.29) 161.82,76.93 MX8.1 ; MX26.1 169.22,18.76 v1(167.18,20.79) ; MX2.1 161.77,95.88 v1(161.18,95.29) ; v1(161.18,57.49) 161.8,58.11 MX14.1 ; v1(161.18,38.49) 161.77,39.08 MX20.1
  Bottom w0.25: v1(161.18,86.62) 161.46,86.89 176.68,86.89 181.33,91.54 195.7,91.54 198.15,93.99 215.55,93.99 217.8,91.75 233.94,91.75 236.39,89.29 252.68,89.29 258.88,83.09 v1(258.98,83.09)
col 6: length 207.5
  Top w0.2: v1(121.52,38.23) 121.5,38.25 121.5,57.4 v1(121.52,57.43) 121.5,57.45 v1(121.5,76.23) v1(121.5,87.23) 121.5,95.2 v1(121.52,95.23) ; v1(21.22,83.42) 18.84,81.04 14.69,81.04 14.39,80.74 U10.38
  Top w0.25: MX60.1 121.52,23.38 v1(121.52,26.83) v1(121.52,38.23)
  Bottom w0.2: v1(121.5,76.23) 122.07,76.8 MX42.1 ; MX36.1 122.07,95.78 v1(121.52,95.23) ; v1(121.52,57.43) 122.07,57.98 MX48.1 ; v1(121.52,38.23) 122.07,38.78 MX54.1
  Bottom w0.25: MX60.1 119.72,25.03 v1(121.52,26.83) ; v1(21.22,83.42) 21.25,83.42 27.85,90.03 43.12,90.03 44.92,91.83 61.72,91.83 64.37,94.48 80.87,94.48 83.32,92.03 98.32,92.03 102.85,87.5 121.22,87.5 v1(121.5,87.23)
col 6_L: length 216.8
  Top w0.2: v1(142.25,95.03) v1(142.25,87.29) v1(142.25,76.03) 142.28,76 142.28,69.69 143.88,68.09 143.88,64.99 142.28,63.39 142.28,57.27 v1(142.25,57.23) 142.25,38.46 v1(142.08,38.29) ; v1(258.98,84.09) 259.08,84.09 261.51,81.67 U3.3
  Bottom w0.2: MX19.1 142.82,39.03 v1(142.08,38.29) ; v1(142.25,57.23) 142.8,57.79 MX13.1 ; MX7.1 142.77,76.56 v1(142.25,76.03) ; v1(142.25,95.03) 142.84,95.62 142.84,97.37
  Bottom w0.25: 142.8,40.65 MX19.1 ; v1(142.25,87.29) 142.3,87.34 176.5,87.34 181.15,91.99 195.51,91.99 198.01,94.49 215.68,94.49 217.98,92.2 234.13,92.2 236.58,89.74 253.23,89.74 258.88,84.09 v1(258.98,84.09) ; v1(142.08,38.29) 142.28,38.09 142.28,33.09 145.17,30.2 MX25.1 ; 142.77,59.64 MX13.1
cs: length 14.3
  Top w0.2: U10.3 4.56,81.54 3.99,82.1 3.99,90.92 J6.5
cs_L: length 13.8
  Top w0.2: U3.37 273.02,80.47 275.88,83.33 275.88,88.29 277.58,89.99 J3.5
CURR_LIM: length 1.6
  Top w0.5: U7.5 R20.1
CURR_LIM_L: length 1.6
  Top w0.5: R8.1 257.35,101.96 U5.5
D+: length 6.2
  Top w0.2: R18.2 11.39,88.79 11.39,92.76 10.68,93.47 U12.1
D-: length 6.2
  Top w0.2: R19.2 11.84,88.79 11.84,92.75 12.58,93.49 U12.3
D_Split_L+: length 35.3
  Top w0.2: U3.17 265.59,75.67 264.22,74.29 261.62,74.29 259.08,71.76 259.08,61.49 259.88,60.69 268.28,60.69 269.53,61.94 SPLIT_L1.B6 272.53,61.94 272.75,61.71 272.75,61.16 272.53,60.94 SPLIT_L1.A6
D_Split_L-: length 34.8
  Top w0.2: SPLIT_L1.B7 271.28,60.44 271.05,60.66 271.05,60.89 ; SPLIT_L1.A7 271.28,61.44 271.05,61.21 271.05,60.89 ; 271.05,60.89 269.05,60.89 268.45,60.29 259.72,60.29 258.68,61.33 258.68,71.93 261.45,74.69 264.05,74.69 265.19,75.84 U3.16
D_Split_R+: length 25.1
  Top w0.2: 8.56,60.95 8.34,61.17 SPLIT_R1.A6 ; 8.56,60.95 8.56,60.4 8.34,60.17 SPLIT_R1.B6 ; 8.56,60.95 8.4,61.11 ; 8.56,60.95 10.44,60.95 11.52,62.03 11.52,64.19 5.64,70.08 5.64,77.69 5.89,77.94 U10.12
D_Split_R-: length 25.4
  Top w0.2: SPLIT_R1.A7 7.09,60.67 6.86,60.9 6.86,61.45 7.09,61.67 SPLIT_R1.B7 10.37,61.67 11.12,62.43 11.12,64.03 5.24,69.91 5.24,77.85 5.72,78.34 U10.11
D_USB+: length 3.7
  Top w0.2: J4.A6 11.19,98.01 10.97,97.79 10.42,97.79 10.19,98.01 J4.B6 ; U12.6 10.68,96.5 10.68,97.79
D_USB-: length 5
  Top w0.2: U12.4 12.58,96.99 11.69,97.88 J4.B7 11.69,99.26 11.38,99.58 11.01,99.58 10.69,99.26 J4.A7
dc: length 16.3
  Top w0.2: J6.6 4.39,93.06 4.39,82.27 4.72,81.94 U10.2
dc_L: length 12.1
  Top w0.2: U3.36 273.19,80.07 276.28,83.16 276.28,86.89 277.08,87.69 J3.6
DIN: length 10.2
  Top w0.2: J6.3 3.19,86.64 3.19,81.77 4.22,80.74 U10.5
DIN_L: length 17.9
  Top w0.2: J3.3 275.84,93.58 275.84,89.74 275.08,88.98 275.08,83.66 273.57,82.15 273.57,82.15 272.69,81.27 U3.39
DL+: length 6.2
  Top w0.2: U2.1 268.21,93.36 268.93,92.64 268.93,89.22 268.6,88.89 R4.2
DL-: length 6.2
  Top w0.2: R6.2 269.68,88.9 269.33,89.25 269.33,92.59 270.11,93.36 U2.3
DL_USB+: length 3.8
  Top w0.2: J1.A6 268.69,98.15 268.47,97.93 267.92,97.93 267.69,98.15 J1.B6 ; 268.28,97.93 268.28,96.71 U2.6
DL_USB-: length 5
  Top w0.2: J1.A7 268.19,99.4 268.42,99.63 268.97,99.63 269.19,99.4 J1.B7 269.19,97.99 270.11,97.07 U2.4
LED_Data_3V3: length 16
  Top w0.2: v1(21.22,84.42) 18.24,81.44 14.52,81.44 14.22,81.14 U10.39
  Bottom w0.2: v1(21.22,84.42) 22.52,85.72 22.52,90.56 U11.2
LED_Data_3V3_L: length 13.9
  Top w0.2: U3.2 262.01,82.07 v1(258.98,85.09)
  Bottom w0.2: U6.2 255.48,88.59 v1(258.98,85.09)
LED_Data_5V: length 10.6
  Bottom w0.25: 31.71,91.75 22.74,91.75 U11.4
LED_Data_5V_L: length 6.8
  Bottom w0.25: U6.4 254.13,93.23 247.97,93.23 LED6.3
LED_Pow_5V: length 717.2
  Top w0.5: U7.6 23.73,96.63 C34.2 v1(24.73,75.63) 24.73,32.44 22.8,30.51 C48.2 22.8,30.24 19.99,27.43 12.92,27.43 6.32,20.83 6.32,16.23 v1(7.12,15.43)
  Bottom w0.25: 73.52,56.83 64.09,56.83 61.69,54.43 54.52,54.43 ; 73.52,56.83 80.56,56.83 82.96,54.43 92.52,54.43 ; 73.52,56.83 73.53,56.83 LED45.1 ; 92.52,54.43 99.17,54.43 100.86,52.74 100.86,52.69 103.72,49.83 111.72,49.83 ; 92.52,54.43 92.58,54.43 LED46.1 ; 8.82,12.53 7.12,14.23 v1(7.12,15.43) ; 8.82,12.53 8.84,12.51 LED55.1 ; 8.82,12.53 14.37,6.98 27.71,6.98 33.36,12.63 41.12,12.63 41.72,13.22 42.92,13.22 43.86,14.16 LED56.1 43.99,14.83 44.32,14.83 45.21,15.72 51.05,15.72 51.05,15.72 78.23,15.72 78.72,15.23 81.92,15.23 ; 49.32,39.84 49.37,39.84 LED50.1 ; 49.32,39.84 61.77,39.84 64.21,42.28 68.32,42.28 ; 49.32,39.84 45.37,39.84 43.09,37.56 30.35,37.56 ; 106.32,35.06 125.4,35.06 LED54.1 ; 106.32,35.06 106.4,35.06 LED53.1 ; 106.32,35.06 101.84,35.06 97.04,39.86 87.32,39.86 ; 49.32,77.87 61.81,77.87 64.23,80.3 68.32,80.3 ; 49.32,77.87 49.34,77.87 LED38.1 ; 49.32,77.87 45.21,77.87 42.96,75.63 30.32,75.63 ; 30.35,37.56 31.71,36.2 ; 30.35,37.56 25.01,37.56 v1(24.73,37.29) ; 81.92,15.23 81.98,15.23 LED58.1 ; 81.92,15.23 90.49,15.23 92.73,12.98 96.07,12.98 98.02,11.03 101.44,11.03 ; 106.32,73.1 103.22,73.1 100.2,76.13 100.2,76.15 98.48,77.87 87.32,77.87 ; 106.32,73.1 125.31,73.1 125.34,73.12 LED42.1 ; 106.32,73.1 106.36,73.1 LED41.1 ; 35.48,52.08 28.33,52.08 v1(24.76,55.65) ; 35.48,52.08 LED43.1 ; 35.48,52.08 42.94,52.08 45.29,54.43 54.52,54.43 ; 73.61,94.93 64.19,94.93 61.54,92.28 44.74,92.28 42.94,90.48 38.72,90.48 ; 73.61,94.93 73.63,94.93 LED33.1 ; 73.61,94.93 81.06,94.93 83.51,92.48 92.56,92.48 ; 68.32,42.28 68.38,42.28 LED51.1 ; 68.32,42.28 80.83,42.28 83.25,39.86 87.32,39.86 ; 87.32,39.86 87.35,39.86 LED52.1 ; LED34.1 92.63,92.48 92.56,92.48 ; 54.52,54.43 54.58,54.43 LED44.1 ; 68.32,80.3 68.36,80.3 LED39.1 ; 68.32,80.3 80.58,80.3 83.01,77.87 87.32,77.87 ; LED40.1 87.34,77.87 87.32,77.87 ; 101.44,11.03 113.32,11.03 113.97,11.67 128.23,11.67 129.81,13.25 ; 101.44,11.03 LED59.1 ; 30.32,75.63 30.34,75.63 31.71,74.25 ; 30.32,75.63 v1(24.73,75.63) ; v1(24.73,90.3) 24.91,90.48 38.72,90.48 ; 111.72,49.83 130.73,49.83 LED48.1 ; 111.72,49.83 111.73,49.83 LED47.1 ; 38.72,90.48 38.44,90.48 LED31.1 ; LED35.1 111.86,87.95 111.84,87.95 ; LED32.1 54.43,92.28 ; 111.84,87.95 130.85,87.95 130.92,88.03 130.93,88.03 LED36.1 ; 111.84,87.95 103.03,87.95 98.51,92.48 92.56,92.48
LED_Pow_5V_L: length 686.4
  Top w0.5: v1(265.58,11.29) 259.08,11.29 v1(254.18,16.19) 252.24,18.14 v1(252.24,33.29) v1(252.24,56.89) v1(252.24,94.74) 252.24,94.85 254.88,97.49 C4.2 255.93,99.93 U5.6
  Bottom w0.25: LED26.1 176.81,14.32 177.38,14.89 ; LED7.1 152.86,69.82 153.88,68.79 172.98,68.79 ; LED18.1 242.44,55.68 243.33,56.57 ; 210.98,75.89 209.86,77.02 209.86,77.46 ; 210.98,75.89 198.98,75.89 196.58,73.49 181.08,73.49 176.38,68.79 172.98,68.79 ; 210.98,75.89 215.85,75.89 218.15,73.59 230.18,73.59 ; 243.58,94.65 236.69,94.65 234.5,96.84 224.4,96.84 ; 243.58,94.65 252.15,94.65 v1(252.24,94.74) ; 243.58,94.65 243.54,94.65 242.46,93.57 LED6.1 ; LED5.1 223.46,95.9 224.4,96.84 ; 191.98,35.49 181.78,35.49 177.18,30.89 172.78,30.89 ; 191.98,35.49 197.38,35.49 199.88,37.99 214.78,37.99 217.28,35.49 230.08,35.49 ; 191.98,35.49 190.91,36.57 LED21.1 ; v1(252.24,33.29) 235.58,33.29 233.38,35.49 230.08,35.49 ; 172.98,68.79 171.91,69.87 LED8.1 ; 186.38,58.87 196.66,58.87 199.06,61.27 215.31,61.27 217.71,58.87 233.31,58.87 235.61,56.57 243.33,56.57 ; 186.38,58.87 185.44,57.92 LED15.1 ; 186.38,58.87 181.96,58.87 177.16,54.07 148.38,54.07 147.44,53.13 LED13.1 ; 172.78,30.89 153.98,30.89 152.91,31.97 LED19.1 ; 172.78,30.89 171.86,31.82 LED20.1 ; v1(252.24,71.69) 251.84,71.29 248.88,71.29 ; 224.4,96.84 217.8,96.84 215.4,99.24 199.12,99.24 196.6,96.72 186.31,96.72 ; 205.38,61.27 205.36,61.27 204.44,60.35 LED16.1 ; 243.33,56.57 251.91,56.57 v1(252.24,56.89) ; LED12.1 247.89,72.29 248.88,71.29 ; 248.88,71.29 237.45,71.29 235.15,73.59 230.18,73.59 ; 230.18,73.59 229.96,73.59 228.94,74.61 LED11.1 ; 230.08,35.49 228.91,36.67 LED23.1 ; LED29.1 236.07,16.43 236.94,17.29 237.88,17.29 ; 177.38,14.89 168.78,14.89 167.36,16.32 151.36,16.32 LED25.1 ; 177.38,14.89 177.88,15.39 179.37,15.39 179.68,15.7 180.03,15.7 180.33,15.99 189.48,15.99 192.86,19.37 199.66,19.37 199.94,19.65 232.77,19.65 233.96,18.47 236.71,18.47 238.32,16.86 240.62,16.86 241.28,16.19 v1(254.18,16.19) ; 186.31,96.72 182.21,96.72 177.46,91.97 167.26,91.97 ; 186.31,96.72 185.41,95.82 LED3.1 ; 191.98,73.49 190.86,74.62 190.86,74.99 ; LED1.1 147.41,91.12 148.26,91.97 167.26,91.97 ; LED27.1 196.35,18.26 197.46,19.37 197.48,19.37 ; 248.88,33.29 247.86,34.32 LED24.1 ; 224.48,58.87 223.44,57.82 LED17.1 ; LED2.1 166.41,91.12 167.26,91.97 ; LED4.1 204.41,98.24 205.41,99.24 205.48,99.24 ; LED28.1 216.29,18.75 217.18,19.65 ; 210.98,37.99 209.86,39.12 209.86,39.51 ; v1(265.58,11.29) 265.6,11.29 LED30.1
